# Altium PCB ESC_STM32.PcbDoc (part 1 of 2)
Units mm, origin at the board's own origin, x right, y up, seen from the top; angles counter-clockwise.
Board outline 21.9 x 38.3 mm, 8 copper layers (Top Layer, GND 1, Layer 3, PWR 1, GND 2, Layer 4, PWR 2, Bottom Layer), stack 1.58 mm thick; 153 components, 89 nets, 537 pads, 319 vias.
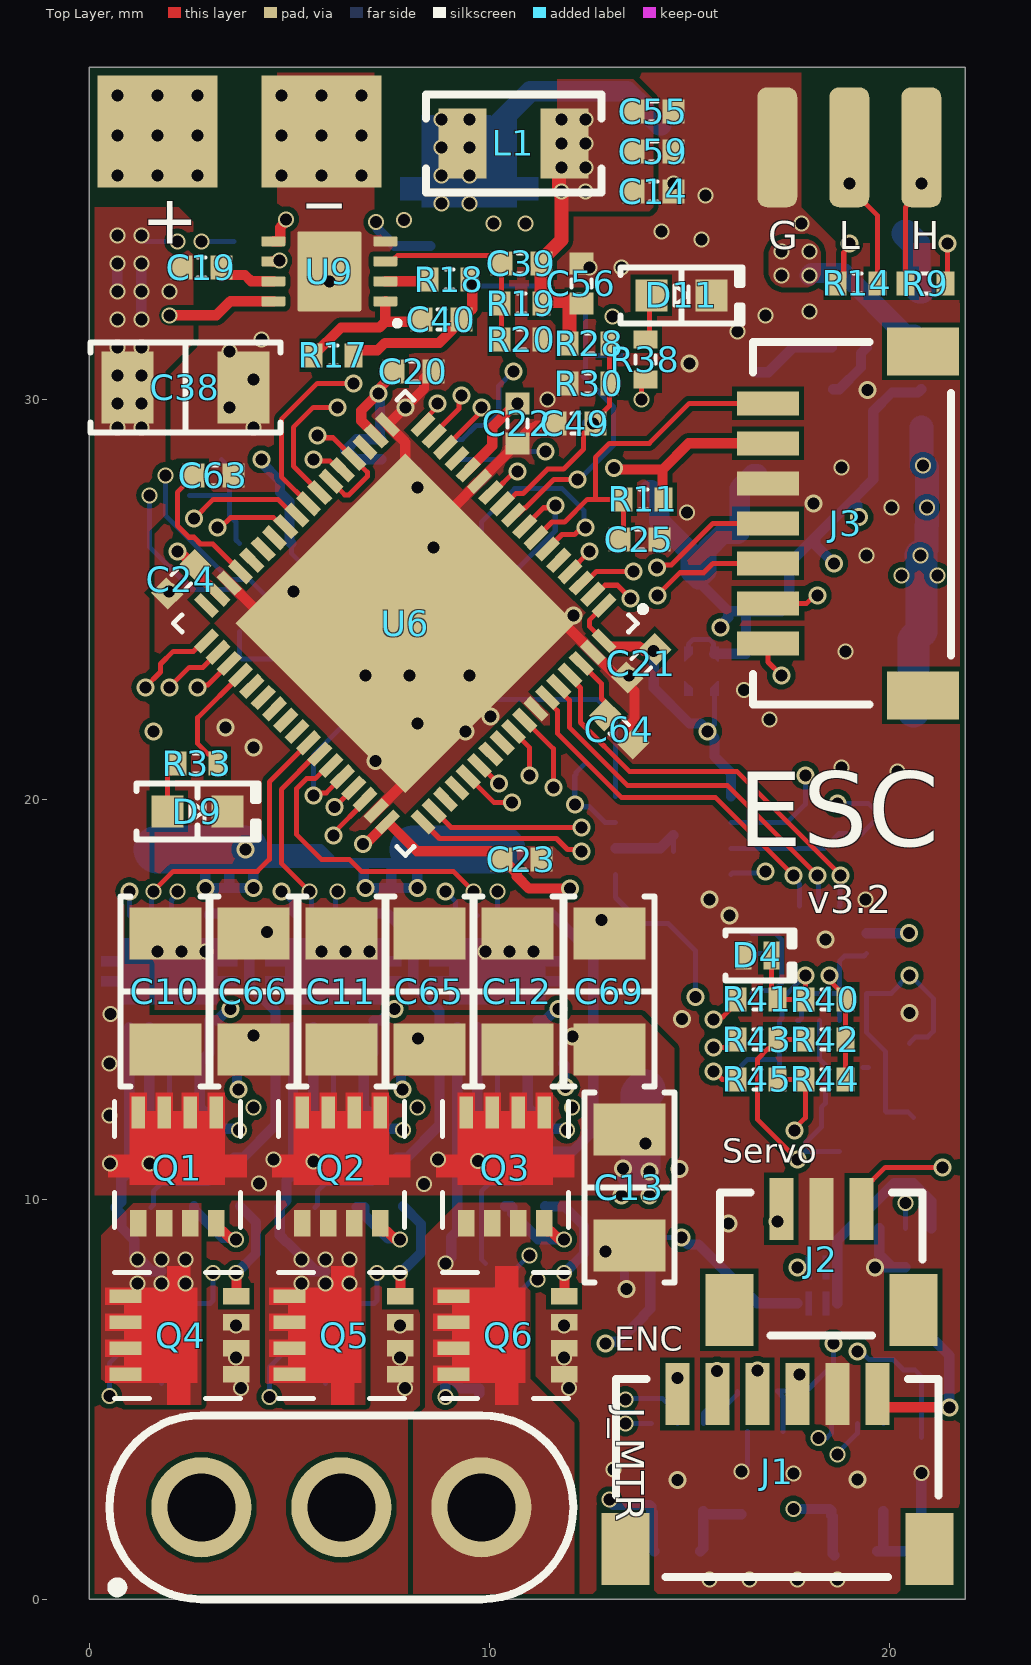
[diagram p0: Top Layer view]
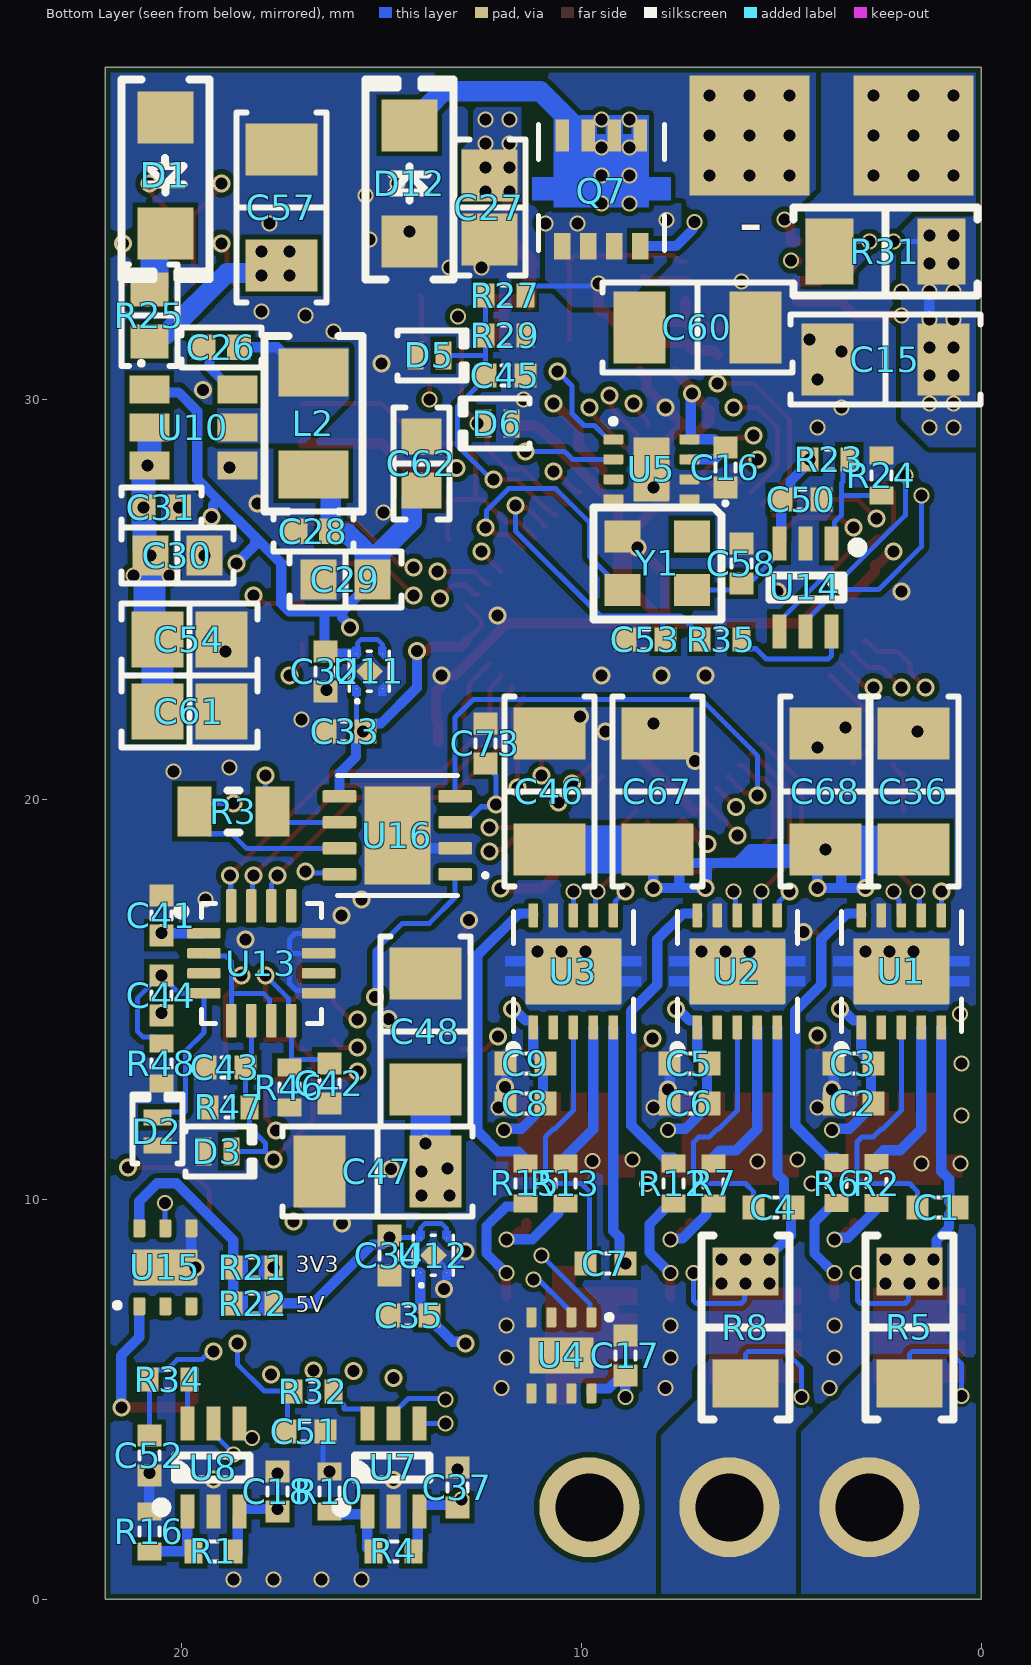
[diagram p1: Bottom Layer view, seen from below]
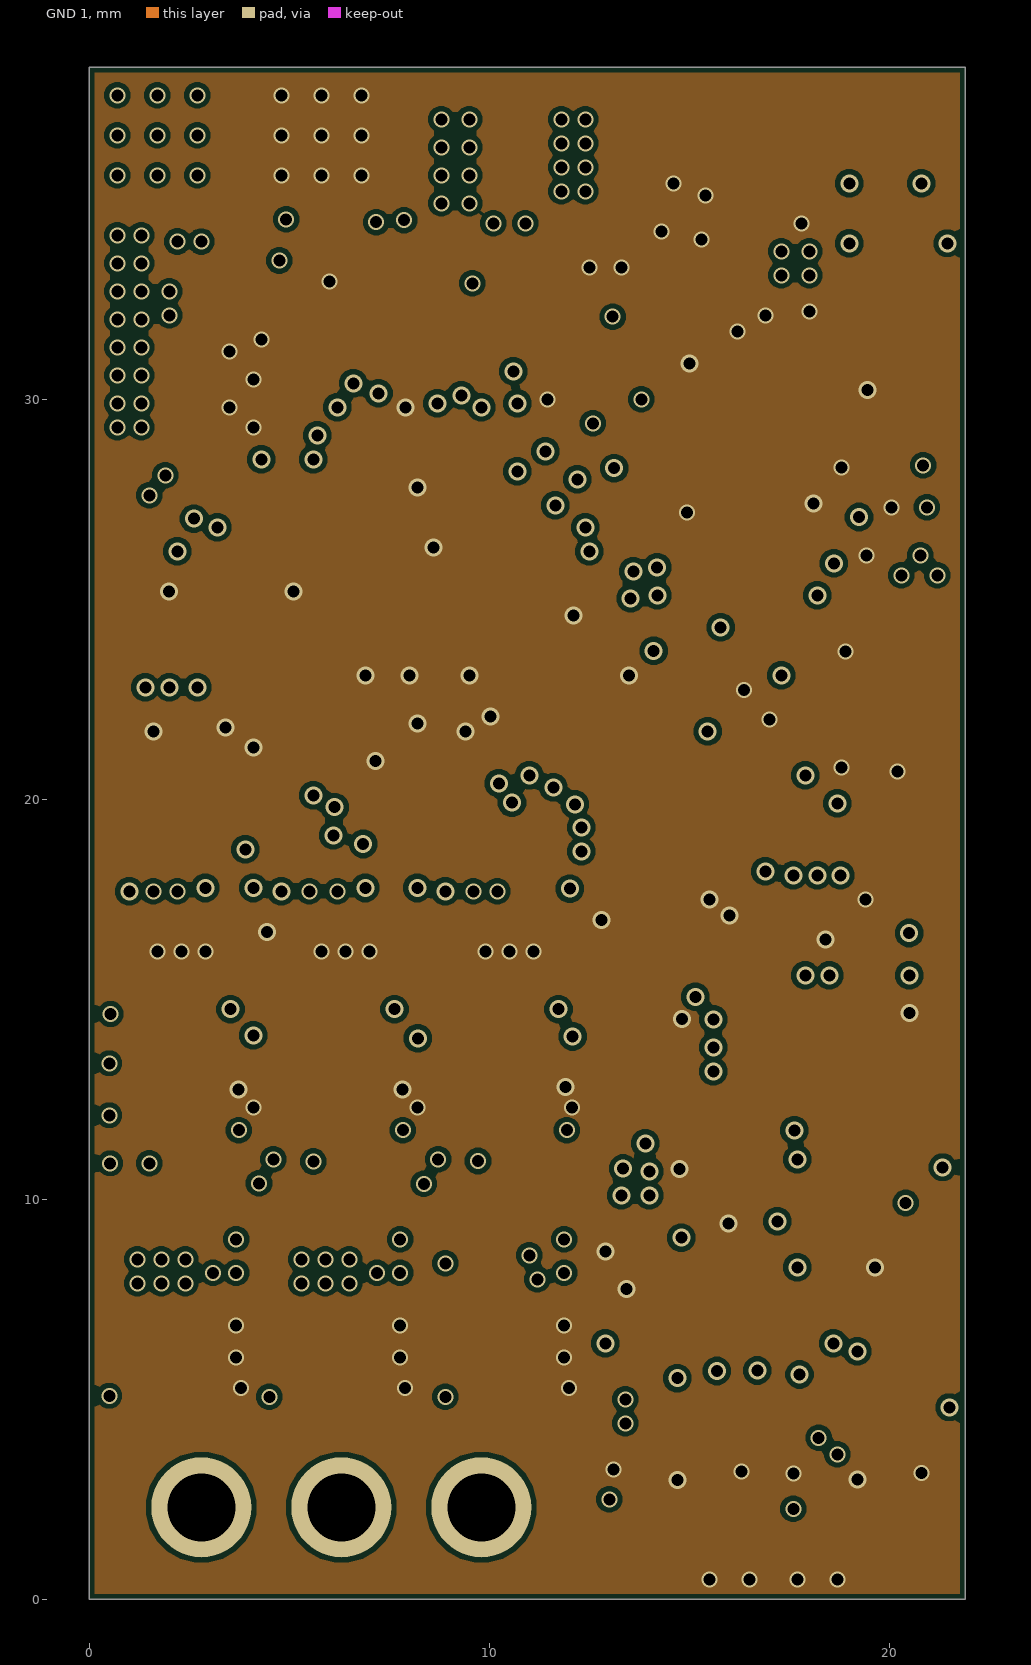
[diagram p2: GND 1]
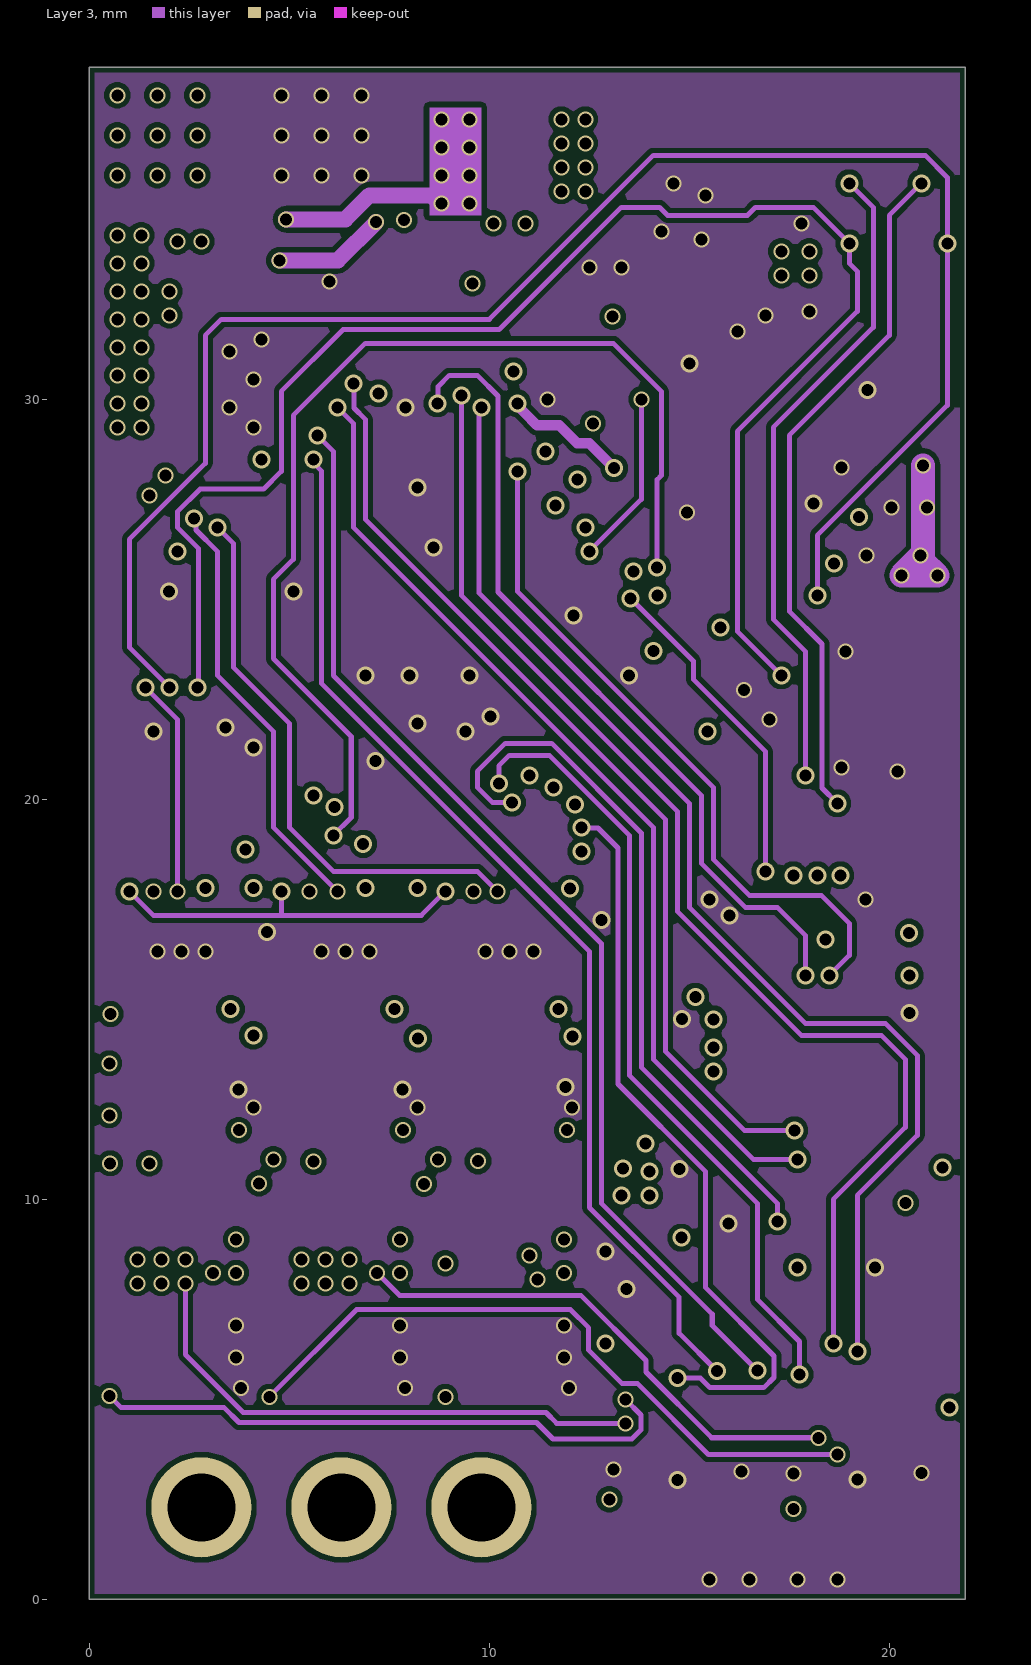
[diagram p3: Layer 3]
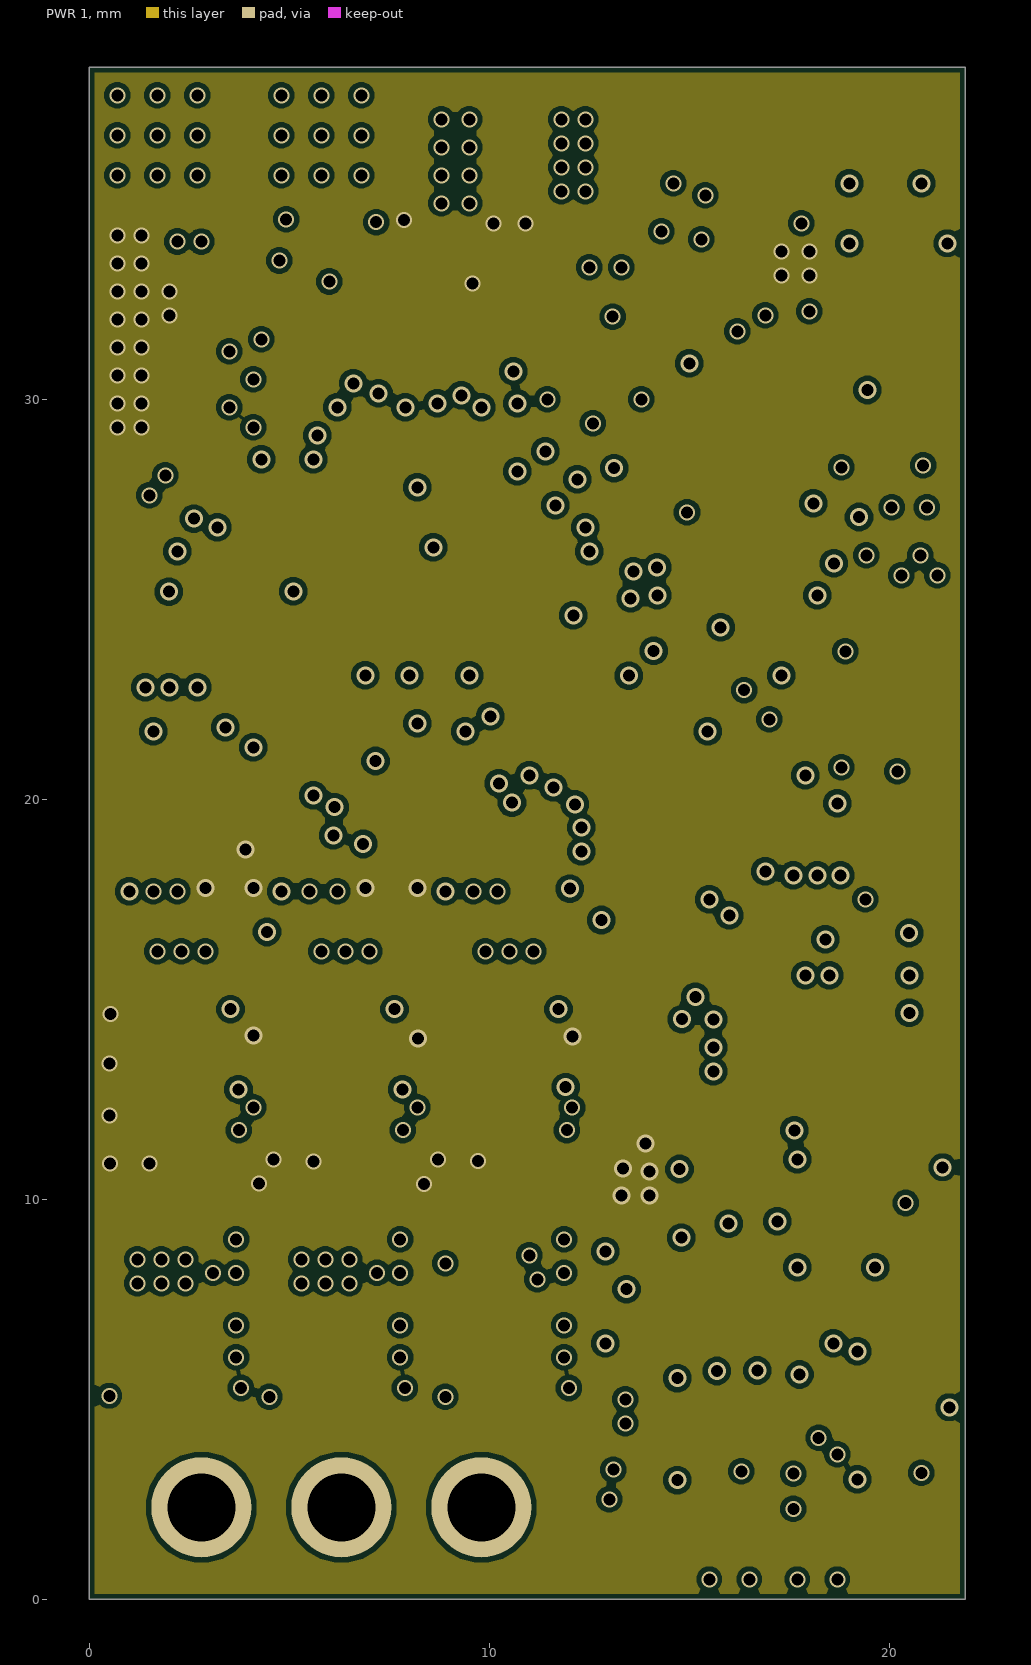
[diagram p4: PWR 1]
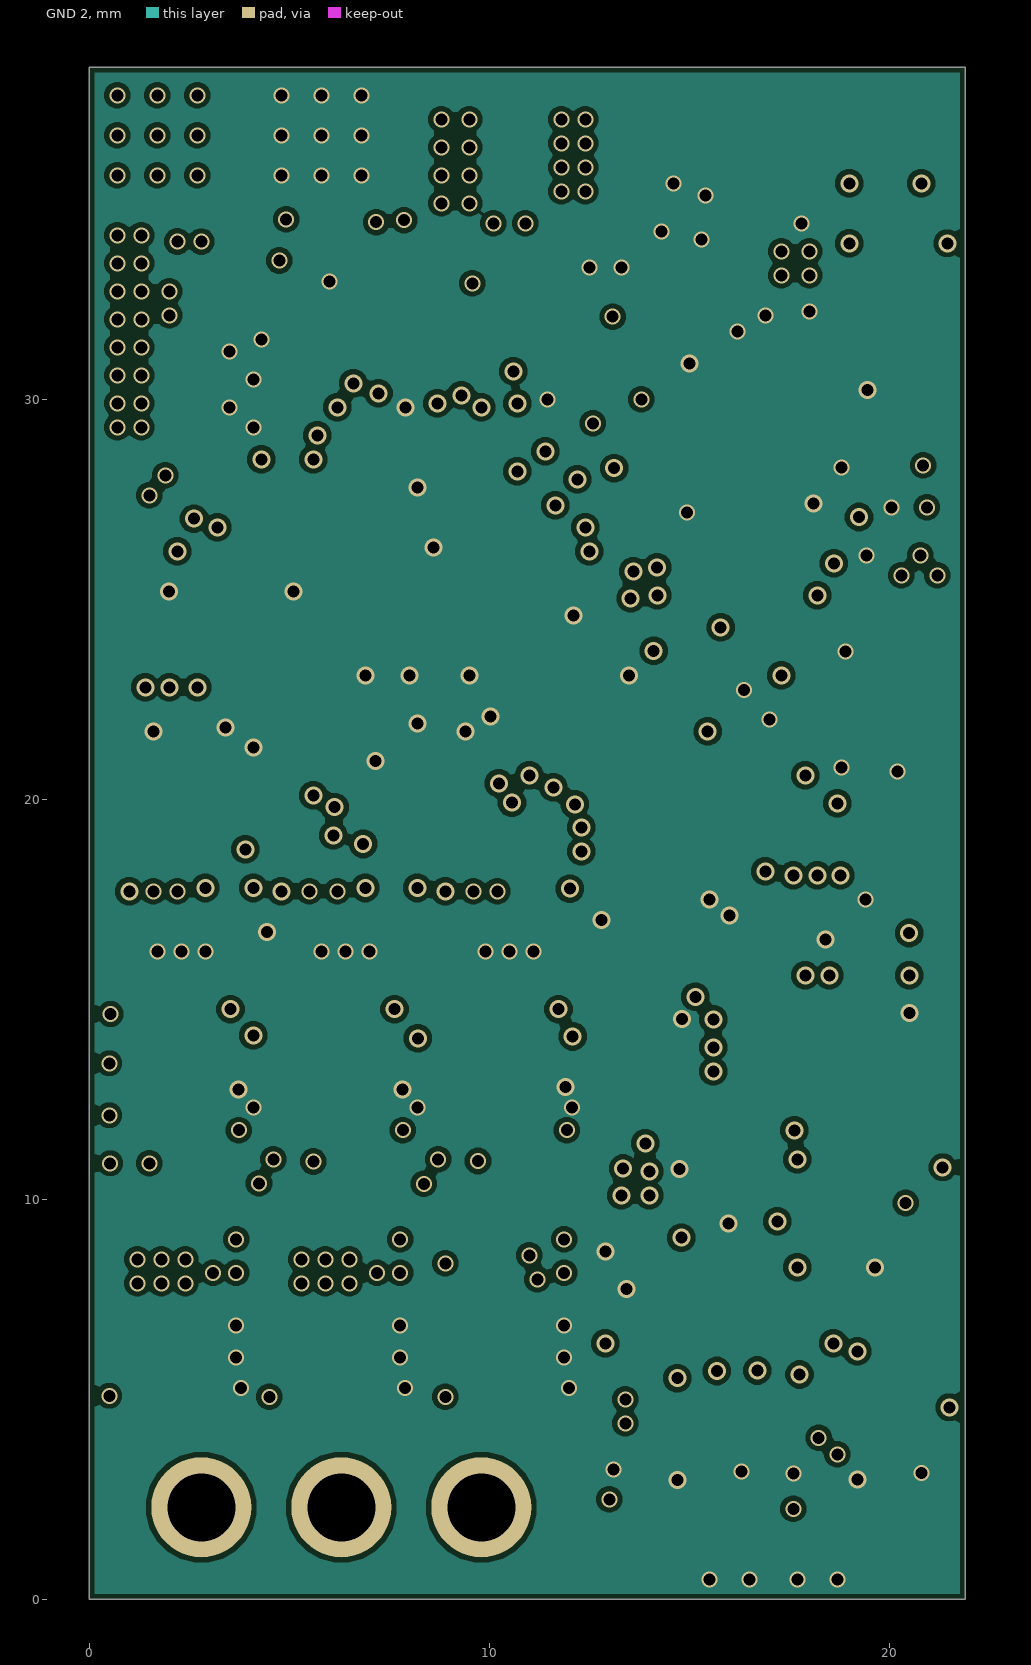
[diagram p5: GND 2]
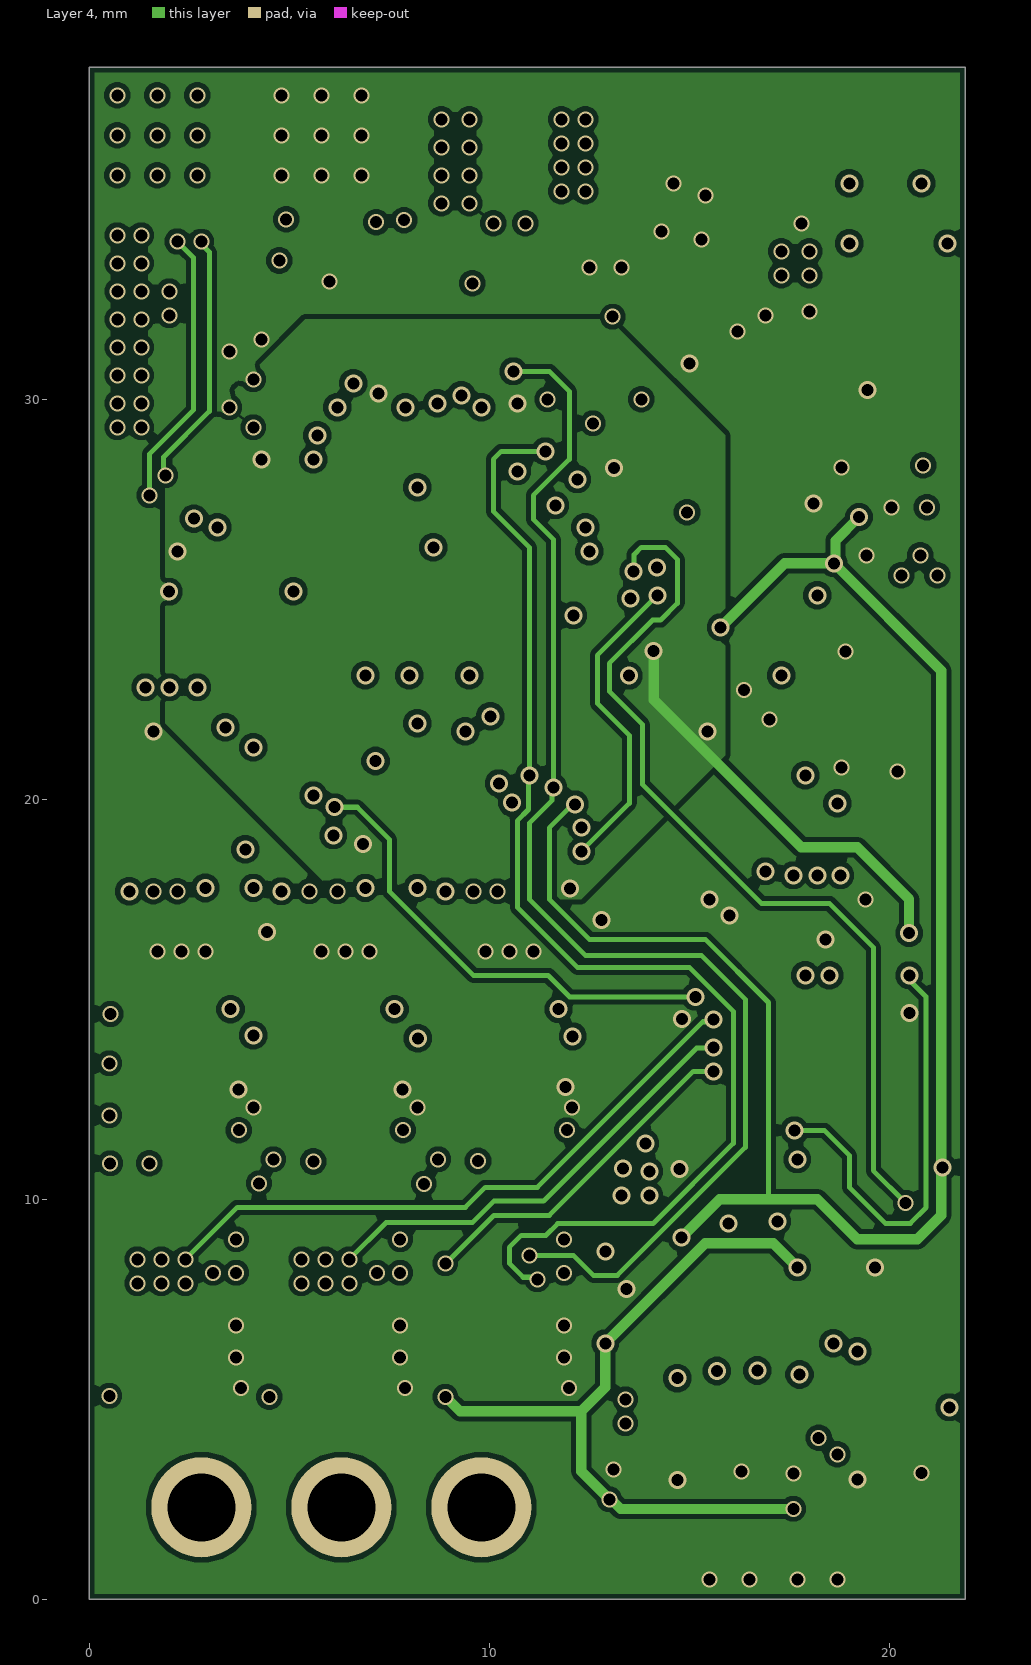
[diagram p6: Layer 4]
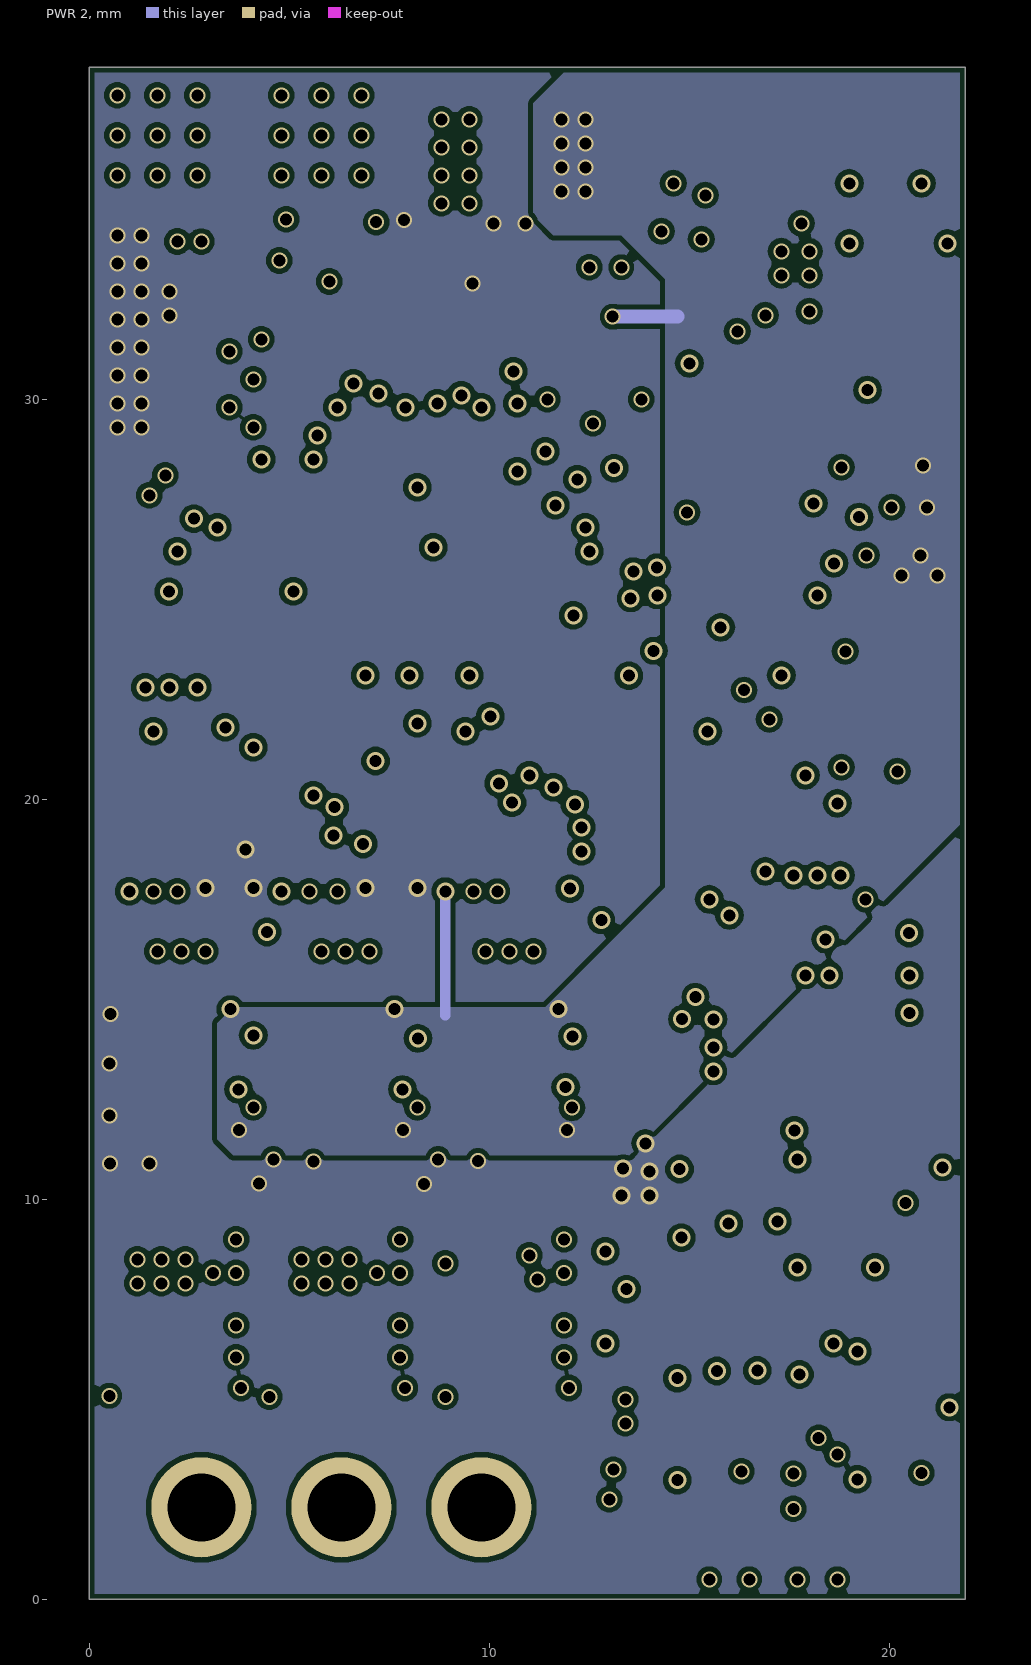
[diagram p7: PWR 2]
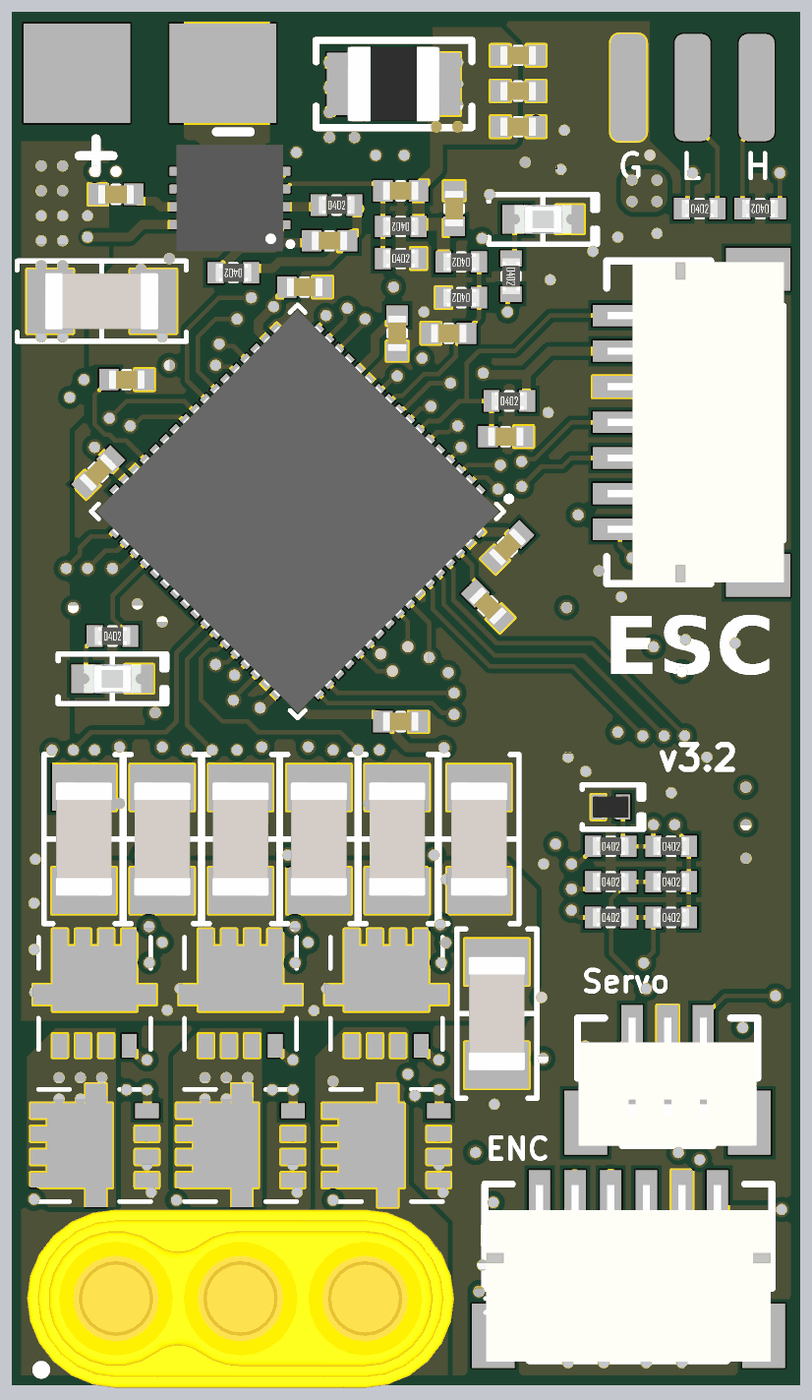
[diagram p9: 3D render of the assembled board from above, using the file's embedded part models]
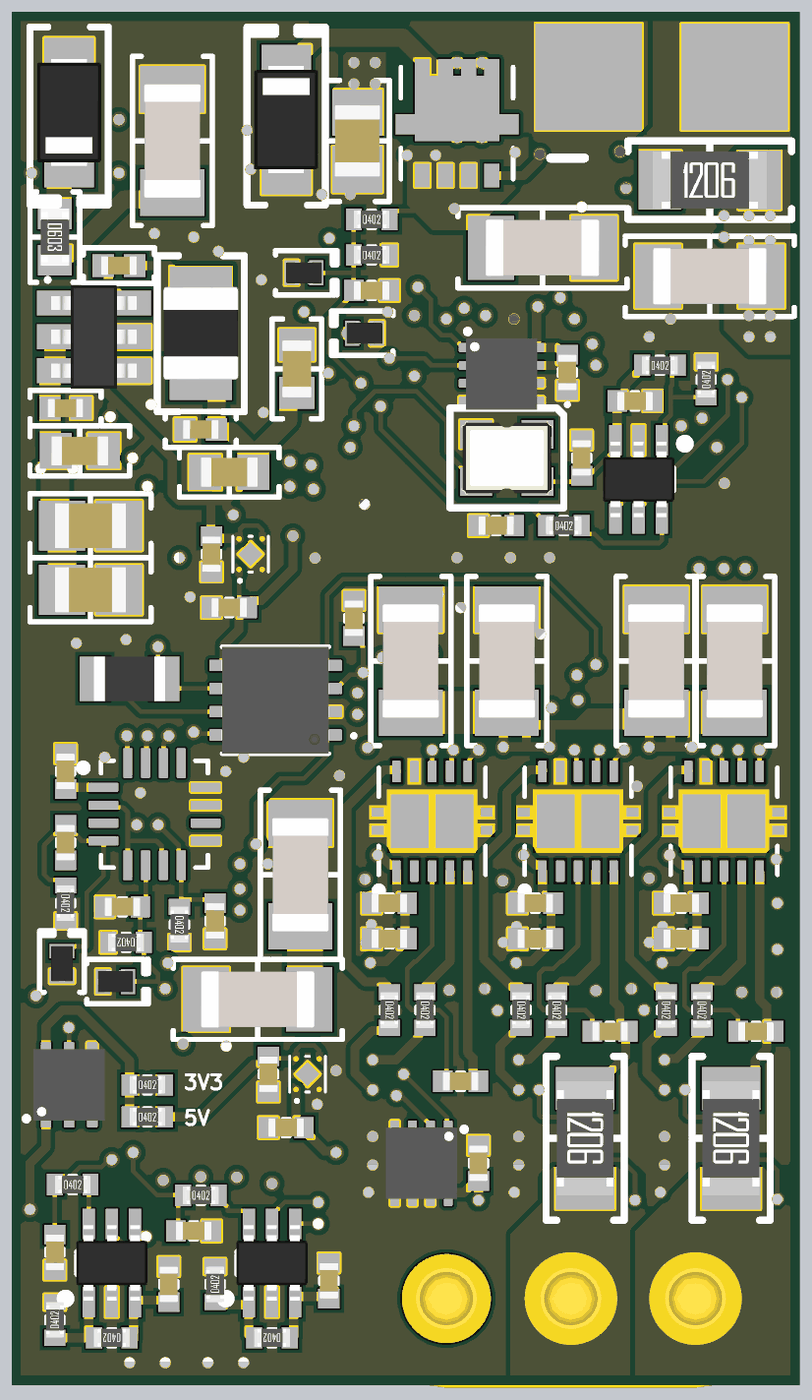
[diagram p10: 3D render of the assembled board from below, using the file's embedded part models]

## Layer stack, top to bottom
Top Solder: solder mask 0.01, Solder Resist, Dk 3.5
Top Layer: signal copper 0.035
Dielectric 2: prepreg 0.2, PP-006, Dk 4.1
GND 1: signal copper 0.035
Dielectric 4: prepreg 0.0711, PP-006, Dk 4.1
Layer 3: signal copper 0.0175
Dielectric 6: prepreg 0.0711, PP-006, Dk 4.1
PWR 1: signal copper 0.035
Dielectric 1: dielectric 0.651, FR-4, Dk 4.8
GND 2: signal copper 0.035
Dielectric 7: prepreg 0.0711, PP-006, Dk 4.1
Layer 4: signal copper 0.0175
Dielectric 5: prepreg 0.0711, PP-006, Dk 4.1
PWR 2: signal copper 0.035
Dielectric 3: prepreg 0.2, PP-006, Dk 4.1
Bottom Layer: signal copper 0.035
Bottom Solder: solder mask 0.01, Solder Resist, Dk 3.5

## Board outline
0,0 0,38.3 21.9,38.3 21.9,0
